# KiCad board PiEEG.kicad_pcb (continued)
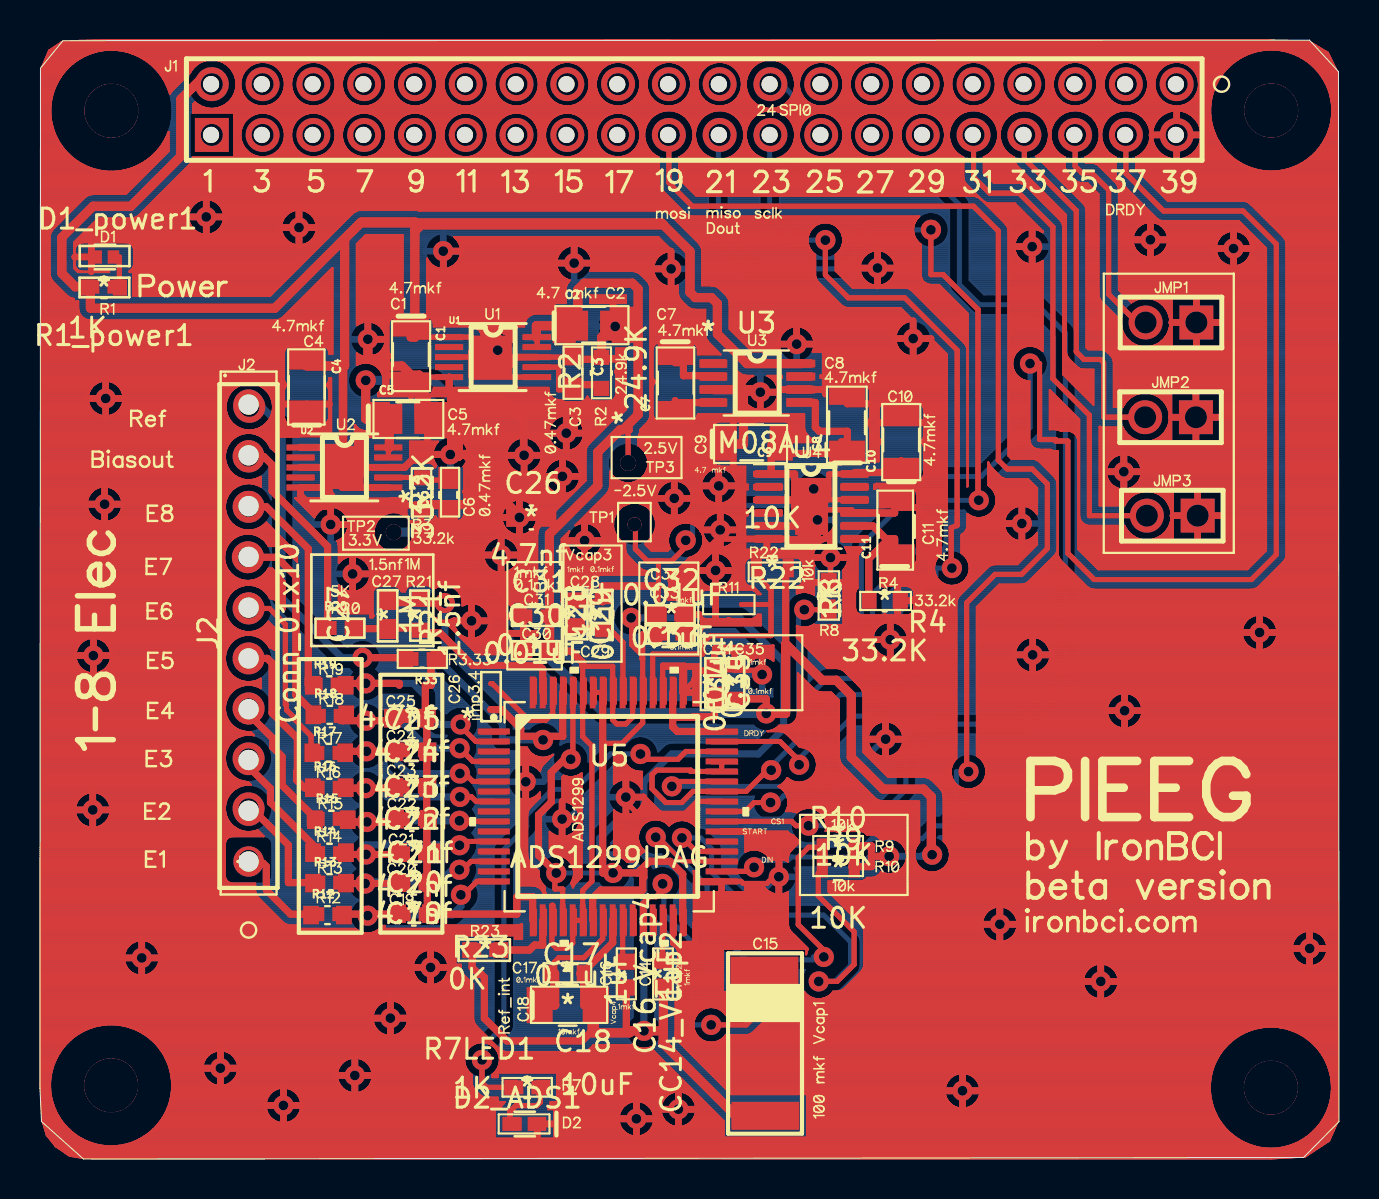
[diagram p0: board, top side]
## Routing (per net, layer and track width the routed paths; a pad name or vN(x,y) marks a point on that pad's centre or on a via; arc(x,y) is an arc through that point) (continued)
/ADS1299_subsheet/SPI3.1DRDY: length 135.4
  Top w0.254: 37.01,20.89 34.1,20.89 37.01,20.89 ; 37.01,20.89 37.97,19.93 ; 37.01,20.89 37.97,19.93 ; 37.97,19.93 37.97,19.73 37.97,19.93 ; 56.2,47.43 54.32,49.31 ; 56.2,47.43 60.18,47.43 ; 56.2,47.43 60.18,47.43 ; 56.2,47.43 54.32,49.31 ; 54.32,49.31 54.32,51.23 54.32,49.31 ; 51.42,30.3 52.73,28.99 ; 51.42,30.3 51.42,35.92 ; 51.42,30.3 52.73,28.99 ; 51.42,30.3 51.42,35.92 ; 52.73,28.99 60.6,28.99 ; 52.73,28.99 60.6,28.99 ; 61.84,30.23 61.84,45.77 ; 61.84,30.23 61.84,45.77 ; 61.84,30.23 60.6,28.99 ; 61.84,30.23 60.6,28.99 ; 61.84,45.77 60.18,47.43 ; 61.84,45.77 60.18,47.43 ; 50.8,36 50.8,35.92 ; 50.8,36 50.8,35.92 ; 50.8,36 50,36 ; 50.8,36 50,36 ; 50.8,35.92 51.42,35.92 ; 50.8,35.92 51.42,35.92 ; 50,39.8 v1(49.52,39.8) 50,39.8 ; 50,39.8 50,36 ; 50,39.8 50,36
  Bottom w0.254: v1(49.52,39.8) 49.52,36.59 47.08,34.15 44.51,34.15 41.08,30.72 41.08,24.05 39.35,24.05 38.43,23.12 38.43,20.49 37.67,19.73 37.97,19.73
  vias: v1(37.97,19.73) v2(54.32,51.23)
/ADS1299_subsheet/SPI3.2.mosi_din: length 154.2
  Top w0.2: 30.92,16.1 32.13,14.89 ; 30.92,16.1 32.13,14.89 ; 30.92,16.1 v1(30.8,16.1) 30.92,16.1 ; 32.13,14.89 34.1,14.89 32.13,14.89
  Top w0.254: 39.2,10.45 39.2,10.11 39.2,10.45 ; 39.2,10.45 37.93,11.73 ; 39.2,10.45 37.93,11.73 ; 46.69,47.67 32.63,47.67 ; 46.69,47.67 47.93,46.43 ; 46.69,47.67 32.63,47.67 ; 46.69,47.67 47.93,46.43 ; 32.63,47.67 31.46,48.84 ; 32.63,47.67 31.46,48.84 ; 50.38,33.78 49.64,34.52 ; 50.38,33.78 49.64,34.52 ; 50.38,33.78 50.38,30.54 ; 50.38,33.78 50.38,30.54 ; 49.64,34.52 48.38,34.52 ; 49.64,34.52 48.38,34.52 ; 39.28,15.6 39.28,15.67 39.28,15.6 ; 39.28,15.6 38.44,15.6 ; 39.28,15.6 38.44,15.6 ; 38.44,15.6 37.93,15.08 ; 38.44,15.6 37.93,15.08 ; 37.93,15.08 37.93,11.73 ; 37.93,15.08 37.93,11.73 ; 31.46,48.84 31.46,51.23 31.46,48.84 ; 35.72,14.39 34.1,14.39 35.72,14.39 ; 35.72,14.39 v1(35.72,14.59) 35.72,14.39 ; 47.93,46.43 47.93,34.97 ; 47.93,46.43 47.93,34.97 ; 48.38,34.52 47.93,34.97 ; 48.38,34.52 47.93,34.97 ; 49.09,29.25 50.38,30.54 ; 49.09,29.25 47.77,29.25 ; 49.09,29.25 47.77,29.25 ; 49.09,29.25 50.38,30.54 ; 47.77,29.25 46.35,27.83 ; 47.77,29.25 46.35,27.83 ; 46.35,19.38 46.35,27.83 ; 46.35,19.38 46.35,27.83 ; 46.35,19.38 v1(46.44,19.38) 46.35,19.38
  Bottom w0.254: 39.2,10.11 38.69,10.11 38.69,9.97 35.34,9.97 33.37,11.94 33.37,13.67 31.01,16.03 30.8,16.03 v1(30.8,16.1) ; v1(35.72,14.59) 35.8,14.59 35.8,14.86 35.97,14.86 36.04,14.94 37.4,14.94 37.58,15.11 40.64,15.11 41.23,15.7 41.23,15.66 41.59,16.03 44.13,16.03 44.77,16.67 45.19,16.67 45.84,17.32 45.84,19.38 v1(46.44,19.38)
  vias: v1(39.21,10.11) v2(31.46,51.23)
/ADS1299_subsheet/SPI3.3.SCLK: length 72.2
  Top w0.254: 35.72,17.83 36.54,17.83 35.72,17.83 ; 35.72,17.83 35.27,17.39 ; 35.72,17.83 35.27,17.39 ; 45.88,40.47 43.26,43.09 ; 45.88,40.47 45.88,31.69 ; 45.88,40.47 45.88,31.69 ; 45.88,40.47 43.26,43.09 ; 43.26,43.09 40.43,43.09 ; 43.26,43.09 40.43,43.09 ; 45.58,29.56 45.61,29.56 45.58,29.56 ; 45.58,29.56 45.58,31.58 ; 45.58,29.56 45.58,31.58 ; 40.43,43.09 39.28,44.23 ; 40.43,43.09 39.28,44.23 ; 45.88,31.69 45.58,31.58 ; 45.88,31.69 45.58,31.58 ; 39.28,44.23 v1(39.28,45.97) 39.28,44.23 ; 35.27,17.39 34.1,17.39 35.27,17.39
  Bottom w0.254: 45.61,29.56 44.81,29.56 44.81,28.17 44.64,28.17 43.54,27.07 43.54,24.47 42.15,23.07 42.15,22.9 41.4,22.16 40.65,22.16 39.45,20.95 39.45,19.06 38.56,18.18 37.21,18.18 36.87,17.83 36.54,17.83 ; v1(39.28,45.97) 37.68,45.97 36.5,47.15 36.5,51.23 36.54,51.23
  vias: v1(36.54,17.84) v1(45.61,29.56) v2(36.54,51.23)
/ADS1299_subsheet/SPI3.4CS1: length 67.3
  Top w0.254: 37.6,16.89 34.1,16.89 37.6,16.89 ; 37.6,16.89 37.81,16.68 ; 37.6,16.89 37.81,16.68 ; 37.81,16.68 38.44,16.68 37.81,16.68
  Bottom w0.254: 38.44,16.68 41.52,16.68 43.31,18.47 43.31,20.27 44.8,21.76 49.14,21.76 51.29,23.91 51.29,41.32 49.87,42.74 47.01,42.74 45.99,43.76 45.99,47.74 44.75,48.98 38.63,48.98 37.88,49.73 37.88,52.99 37.09,53.77 36.54,53.77
  vias: v1(38.44,16.68) v2(36.54,53.77)
/ADS1299_subsheet/SPI3.6_MISO_dout: length 79.6
  Top w0.254: 46.92,42.5 45.18,44.24 ; 46.92,42.5 45.18,44.24 ; 46.92,42.5 46.92,32.96 ; 46.92,42.5 46.92,32.96 ; 45.18,44.24 44.57,44.24 ; 45.18,44.24 44.57,44.24 ; 46.92,32.96 v1(46.96,32.96) 46.92,32.96 ; 44.57,44.24 44.57,46.49 44.57,44.24 ; 31.61,18.89 31.61,18.65 31.61,18.89 ; 31.61,18.89 34.1,18.89 31.61,18.89
  Bottom w0.254: 34,51.23 33.93,51.23 33.93,46.19 35.59,44.53 40.16,44.53 40.68,45.05 40.68,45.62 41.55,46.49 44.57,46.49 ; 31.61,18.65 38.25,18.65 38.99,19.38 38.99,22.2 40.02,23.24 41.1,23.24 41.64,23.77 41.64,28.26 44.25,30.87 44.74,30.87 44.74,32.96 v1(46.96,32.96)
  vias: v1(31.61,18.64) v1(44.56,46.49) v2(34,51.23)
/SPI3.1DRDY:
  vias: v2(11.14,53.77)
/SPI3.2.mosi_dout:
  vias: v2(34,53.77)
/SPI3.3.SCLK:
  vias: v2(28.92,53.77)
/SPI3.4CS1:
  vias: v2(28.92,51.23)
/SPI3.6_MISO_din:
  vias: v2(31.46,53.77)
Net-(C3-Pad2): length 9.2
  Top w0.254: 26.66,38.48 26.66,38.71 26.66,38.48 ; 26.66,38.48 25.94,38.48 ; 26.66,38.48 25.94,38.48 ; 25.94,38.48 25.94,39.62 ; 25.94,38.48 25.94,39.62 ; 25.94,39.62 24.87,39.62 25.94,39.62
  Top w0.354: 26.69,38.74 28.09,38.74 26.69,38.74 ; 26.69,38.74 26.66,38.71 26.69,38.74
Net-(C6-Pad2): length 6.5
  Top w0.254: 19.06,34.1 17.43,34.1 19.06,34.1 ; 19.06,34.1 19.06,34.01 ; 19.06,34.1 19.06,34.01 ; 19.06,34.01 19.06,33.97 ; 19.06,34.01 19.06,33.97 ; 19.06,33.97 20.49,33.97 ; 19.06,33.97 20.49,33.97 ; 20.49,33.97 20.49,34.04 20.49,33.97
Net-(C7-Pad2): length 5.2
  Top w0.354: 32.19,39.19 33.68,39.19 ; 32.19,39.19 32.19,39.84 ; 32.19,39.19 32.19,39.84 ; 32.19,39.19 33.68,39.19 ; 33.68,39.19 33.68,39.14 33.68,39.19 ; 32.19,39.84 31.77,39.84 32.19,39.84
Net-(C11-Pad2): length 13.4
  Top w0.354: 42.46,31.03 41.46,30.03 ; 42.46,31.03 42.75,31.03 ; 42.46,31.03 41.46,30.03 ; 42.46,31.03 42.75,31.03 ; 41.46,30.03 41.46,27.93 ; 41.46,30.03 41.46,27.93 ; 42.75,31.03 42.75,30.7 ; 42.75,31.03 42.75,30.7 ; 42.75,30.7 42.65,30.7 ; 42.75,30.7 42.65,30.7 ; 41.67,31.67 42.65,30.7 ; 41.67,31.67 40.76,31.67 41.67,31.67 ; 41.67,31.67 42.65,30.7 ; 41.46,27.93 41.6,27.93 41.46,27.93
Net-(C15_Vcap1-Pad1): length 23.8
  Top w0.254: 30.48,13.12 30.81,13.12 ; 30.48,13.12 30.15,12.79 ; 30.48,13.12 30.81,13.12 ; 30.48,13.12 30.15,12.79 ; 30.81,13.12 31.14,13.45 ; 30.81,13.12 31.14,13.45 ; 35.33,6.71 v1(33.57,6.71) 35.33,6.71 ; 35.33,6.71 36,7.38 ; 35.33,6.71 36,7.38 ; 31.14,13.45 v1(31.14,13.77) 31.14,13.45 ; 30.15,12.79 30.15,11.94 30.15,12.79 ; 36.24,9.5 36.24,9.43 36.24,9.5 ; 36.24,9.5 36,9.5 ; 36.24,9.5 36,9.5 ; 36,7.38 36,9.5 ; 36,7.38 36,9.5
  Bottom w0.254: v1(33.57,6.71) 32.62,6.71 32.62,10.85 31.21,12.26 31.21,13.77 v1(31.14,13.77)
Net-(C16_Vcap4-Pad1): length 4.5
  Top w0.254: 29.15,9.9 29.33,9.9 29.15,9.9 ; 29.15,9.9 29.15,11.94 29.15,9.9
Net-(C18-Pad1): length 12.1
  Top w0.254: 25.95,10.07 27.2,10.07 ; 25.95,10.07 25.75,9.86 ; 25.95,10.07 27.2,10.07 ; 25.95,10.07 25.75,9.86 ; 27.2,10.07 28.15,11.02 ; 27.2,10.07 28.15,11.02 ; 28.15,11.02 28.15,11.94 28.15,11.02 ; 25.75,9.86 25.75,9.29 25.75,9.86
  Top w0.454: 25.75,7.7 25.67,7.7 25.75,7.7 ; 25.75,7.7 25.75,9.29 25.75,7.7
Net-(C20-Pad1): length 15
  Top w0.254: 21.56,14.89 21.26,14.59 ; 21.56,14.89 21.26,14.59 ; 21.56,14.89 22.7,14.89 21.56,14.89 ; 21.26,14.59 20.98,14.59 ; 21.26,14.59 20.98,14.59 ; 20.98,14.59 v1(20.98,14.47) 20.98,14.59
  Top w0.354: 15.12,13.78 15.12,13.83 15.12,13.78 ; 15.12,13.78 v1(16.26,13.78) ; 15.12,13.78 v1(16.26,13.78) ; v1(16.26,13.78) 18.08,13.79 v1(16.26,13.78)
  Bottom w0.354: v1(20.98,14.47) 20.62,14.47 20.02,13.87 16.26,13.87 v1(16.26,13.78)
Net-(C21-Pad1): length 19.7
  Top w0.254: 20.98,15.89 20.98,15.7 20.98,15.89 ; 20.98,15.89 22.7,15.89 20.98,15.89
  Top w0.354: v1(16.31,15.24) 18.06,15.24 ; v1(16.31,15.24) 18.06,15.24 ; v1(16.31,15.24) 15.11,15.24 ; v1(16.31,15.24) 15.11,15.24 ; 18.06,15.24 18.06,15.29 18.06,15.24 ; 15.11,15.24 15.11,15.3 15.11,15.24
  Bottom w0.254: v1(16.31,15.24) 16.31,15.7 20.98,15.7
  Bottom w0.354: 20.45,15.72 16.31,15.72 v1(16.31,15.24)
  vias: v1(20.98,15.7)
Net-(C22-Pad1): length 14.7
  Top w0.254: 21.32,16.89 21.28,16.92 ; 21.32,16.89 22.7,16.89 21.32,16.89 ; 21.32,16.89 21.28,16.92 ; 21.28,16.92 v1(20.98,16.92) 21.28,16.92
  Top w0.354: 18.05,16.86 18.05,17.01 18.05,16.86 ; 18.05,16.86 v1(16.35,16.86) ; 18.05,16.86 v1(16.35,16.86) ; v1(16.35,16.86) 15.09,16.86 ; v1(16.35,16.86) 15.09,16.86 ; 15.09,16.86 15.09,17.02 15.09,16.86
  Bottom w0.354: v1(16.35,16.86) 16.35,16.92 v1(20.98,16.92)
Net-(C23-Pad1): length 14.6
  Top w0.254: 21.59,18.12 v1(21.01,18.12) 21.59,18.12 ; 21.59,18.12 21.82,17.89 ; 21.59,18.12 21.82,17.89 ; 21.82,17.89 22.7,17.89 21.82,17.89
  Top w0.354: 16.3,18.55 15.09,18.55 ; 16.3,18.55 15.09,18.55 ; 16.3,18.55 18.05,18.55 ; 16.3,18.55 18.05,18.55 ; 15.09,18.55 15.09,18.57 15.09,18.55 ; 18.05,18.55 18.05,18.62 18.05,18.55
  Bottom w0.354: 16.3,18.55 16.93,18.55 17.37,18.12 v1(21.01,18.12)
  vias: v1(16.3,18.55)
Net-(C24-Pad1): length 15.2
  Top w0.254: 21.25,19.29 v1(21,19.29) 21.25,19.29 ; 21.25,19.29 21.65,18.89 ; 21.25,19.29 21.65,18.89 ; 21.65,18.89 22.7,18.89 21.65,18.89
  Top w0.354: 16.33,20.4 15.08,20.4 ; 16.33,20.4 18.05,20.4 ; 16.33,20.4 15.08,20.4 ; 16.33,20.4 18.05,20.4 ; 15.08,20.4 15.08,20.32 15.08,20.4 ; 18.05,20.4 18.05,20.45 18.05,20.4
  Bottom w0.354: v1(21,19.29) 18.43,19.29 17.89,19.83 17.89,20.15 17.64,20.4 16.33,20.4
  vias: v1(16.33,20.4)
Net-(C25-Pad1): length 16
  Top w0.254: 21.65,19.89 v1(20.99,20.55) 21.65,19.89 ; 21.65,19.89 22.7,19.89 21.65,19.89
  Top w0.354: 18.05,21.93 18.05,22.17 18.05,21.93 ; 18.05,21.93 16.31,21.93 ; 18.05,21.93 16.31,21.93 ; 16.31,21.93 15.14,21.93 ; 16.31,21.93 15.14,21.93 ; 15.14,21.93 15.14,22.17 15.14,21.93
  Bottom w0.354: v1(20.99,20.55) 19.39,20.55 18.02,21.93 16.31,21.93
  vias: v1(16.31,21.93)
Net-(C26-Pad1): length 16.7
  Top w0.254: 20.95,21.74 21.04,21.74 20.95,21.74 ; 20.95,21.74 21.8,20.89 ; 20.95,21.74 21.8,20.89 ; 21.8,20.89 22.7,20.89 21.8,20.89
  Top w0.354: 14.99,23.8 14.99,23.74 14.99,23.8 ; 14.99,23.8 16.29,23.8 ; 14.99,23.8 16.29,23.8 ; 17.98,23.8 17.98,23.7 17.98,23.8 ; 17.98,23.8 16.29,23.8 ; 17.98,23.8 16.29,23.8
  Bottom w0.354: 21.04,21.74 19.94,21.74 19.26,22.42 19.26,23.18 18.65,23.8 16.29,23.8
  vias: v1(16.29,23.8) v1(21.04,21.74)
Net-(C26-Pad2): length 19.1
  Top w0.254: 17.92,12.18 17.92,12.25 ; 17.92,12.18 v1(16.39,12.18) 17.92,12.18 ; 17.92,12.18 17.92,12.25 ; 17.92,12.25 18.09,12.25 17.92,12.25 ; 21.18,13.22 v1(21.06,13.22) 21.18,13.22 ; 21.18,13.22 21.86,13.89 ; 21.18,13.22 21.86,13.89 ; 21.86,13.89 22.7,13.89 21.86,13.89
  Top w0.354: 15.07,12.25 15.07,12.25 15.07,12.25 ; 15.07,12.25 18.09,12.25 15.07,12.25
  Bottom w0.354: v1(16.39,12.18) 16.29,12.18 16.29,12.21 20.62,12.21 21.06,12.65 v1(21.06,13.22)
Net-(C27-Pad1): length 10.1
  Top w0.254: 24.46,21.95 25.29,21.95 ; 24.46,21.95 22.63,23.79 ; 24.46,21.95 22.63,23.79 ; 24.46,21.95 25.29,21.95 ; 25.29,21.95 25.65,22.3 ; 25.29,21.95 25.65,22.3 ; 22.63,23.79 22.55,23.79 22.63,23.79 ; 25.65,22.3 25.65,23.34 25.65,22.3
Net-(C28-Pad1): length 10.3
  Top w0.254: 29.16,25.84 29.16,23.34 ; 29.16,25.84 29.16,23.34 ; 29.16,25.84 28.42,26.58 ; 29.16,25.84 28.42,26.58 ; 29.16,23.34 29.15,23.34 29.16,23.34 ; 28.14,26.57 26.84,26.57 28.14,26.57 ; 28.14,26.57 28.14,26.58 ; 28.14,26.57 28.14,26.58 ; 28.14,26.58 28.42,26.58 ; 28.14,26.58 28.42,26.58
Net-(D1_power1-Pad2): length 3.3
  Top w0.254: 3.97,43.79 3.97,45.13 ; 3.97,43.79 3.97,45.13 ; 3.97,43.79 3.82,43.64 3.97,43.79 ; 3.97,45.13 3.87,45.13 3.97,45.13
Net-(J1-Pad31):
  vias: v2(18.76,53.77)
Net-(J1-Pad33):
  vias: v2(16.22,53.77)
Net-(J1-Pad35):
  vias: v2(13.68,53.77)
Net-(J2-Pad1): length 10.5
  Top w0.354: 12.53,12.25 13.77,12.25 12.53,12.25 ; 12.53,12.25 11.32,13.46 ; 12.53,12.25 11.32,13.46 ; 11.32,13.46 11.32,14.63 ; 11.32,13.46 11.32,14.63 ; 11.32,14.63 11.16,14.8 ; 11.32,14.63 11.16,14.8 ; 10.43,14.8 v6(10.43,14.97) 10.43,14.8 ; 10.43,14.8 11.16,14.8 ; 10.43,14.8 11.16,14.8
Net-(J2-Pad2): length 12
  Top w0.354: 12.43,13.83 12.43,15.7 ; 12.43,13.83 13.82,13.83 12.43,13.83 ; 12.43,13.83 12.43,15.7 ; 12.43,15.7 10.58,17.54 ; 12.43,15.7 10.58,17.54 ; 10.58,17.54 10.43,17.54 10.58,17.54
  vias: v6(10.43,17.54)
Net-(J2-Pad3): length 12.3
  Top w0.354: 11.53,17.84 11.53,18.54 ; 11.53,17.84 13.81,15.56 ; 11.53,17.84 11.53,18.54 ; 11.53,17.84 13.81,15.56 ; 11.53,18.54 10.43,19.63 ; 11.53,18.54 10.43,19.63 ; 10.43,19.63 10.43,20.04 10.43,19.63 ; 13.81,15.56 13.81,15.3 13.81,15.56
  vias: v6(10.43,20.04)
Net-(J2-Pad4): length 14.1
  Top w0.354: 13.79,17.24 13.57,17.24 ; 13.79,17.24 13.57,17.24 ; 13.79,17.24 13.79,17.02 13.79,17.24 ; 13.57,17.24 12.11,18.7 ; 13.57,17.24 12.11,18.7 ; 12.11,20.14 11.65,20.6 ; 12.11,20.14 12.11,18.7 ; 12.11,20.14 12.11,18.7 ; 12.11,20.14 11.65,20.6 ; 11.65,20.6 11.65,21.05 ; 11.65,20.6 11.65,21.05 ; 10.43,22.26 v6(10.43,22.54) 10.43,22.26 ; 10.43,22.26 11.65,21.05 ; 10.43,22.26 11.65,21.05
Net-(J2-Pad5): length 17.7
  Top w0.354: 11.61,22.31 11.61,24.81 ; 11.61,22.31 12.88,21.04 ; 11.61,22.31 11.61,24.81 ; 11.61,22.31 12.88,21.04 ; 11.61,24.81 11.37,25.04 ; 11.61,24.81 11.37,25.04 ; 12.88,19.35 12.88,21.04 ; 12.88,19.35 12.88,21.04 ; 12.88,19.35 12.84,19.39 ; 12.88,19.35 12.84,19.39 ; 11.37,25.04 v6(10.43,25.04) 11.37,25.04 ; 13.22,18.57 13.79,18.57 13.22,18.57 ; 13.22,18.57 12.84,18.95 ; 13.22,18.57 12.84,18.95 ; 12.84,18.95 12.84,19.39 ; 12.84,18.95 12.84,19.39
Net-(J2-Pad6): length 18.8
  Top w0.254: 11.48,27.54 10.43,27.54 11.48,27.54 ; 11.48,27.54 12.27,26.75 ; 11.48,27.54 12.27,26.75 ; 12.27,26.75 12.27,22.74 ; 12.27,26.75 12.27,22.74 ; 13.56,20.32 13.78,20.32 13.56,20.32 ; 13.56,20.32 13.56,21.17 ; 13.56,20.32 13.56,21.17 ; 12.76,22.04 12.33,22.47 ; 12.76,22.04 12.33,22.47 ; 12.76,22.04 12.76,21.97 ; 12.76,22.04 12.76,21.97 ; 12.33,22.47 12.33,22.74 ; 12.33,22.47 12.33,22.74 ; 12.33,22.74 12.27,22.74 ; 12.33,22.74 12.27,22.74 ; 12.76,21.97 13.56,21.17 ; 12.76,21.97 13.56,21.17
  vias: v6(10.43,27.54)
Net-(J2-Pad7): length 20.4
  Top w0.354: 12.81,29.14 11.84,30.11 ; 12.81,29.14 11.84,30.11 ; 12.81,29.14 12.81,23.21 ; 12.81,29.14 12.81,23.21 ; 11.84,30.11 10.4,30.11 11.84,30.11 ; 12.81,23.21 13.84,22.17 12.81,23.21
  vias: v6(10.4,30.11)
Net-(J2-Pad8): length 21.8
  Top w0.354: 11.33,32.63 v6(10.43,32.63) 11.33,32.63 ; 11.33,32.63 13.42,30.54 ; 11.33,32.63 13.42,30.54 ; 13.42,30.54 13.42,23.74 ; 13.42,30.54 13.42,23.74 ; 13.42,23.74 13.69,23.74 13.42,23.74
Net-(J2-Pad9): length 21.3
  Top w0.354: 11.61,33.42 11.61,34.73 ; 11.61,33.42 11.61,34.73 ; 11.61,33.42 14.39,30.65 ; 11.61,33.42 14.39,30.65 ; 11.61,34.73 11.2,35.14 ; 11.61,34.73 11.2,35.14 ; 11.2,35.14 10.43,35.14 11.2,35.14 ; 14.39,30.65 14.39,26.57 14.39,30.65
  vias: v6(10.43,35.14)
Net-(J2-Pad10): length 20.7
  Top w0.354: 18.48,25.08 18.48,25.02 18.48,25.08 ; 18.48,25.08 16.14,25.08 18.48,25.08
  Bottom w0.354: v6(10.47,37.63) 11.09,37.63 12.12,36.61 12.12,28.06 15.1,25.08 16.14,25.08
  vias: v1(16.13,25.08)
Net-(R7LED1-Pad1): length 34.9
  Top w0.254: 30.04,20 30.04,20.27 30.04,20 ; 30.04,20 31.91,20 ; 30.04,20 31.91,20 ; 32.3,20.39 34.1,20.39 32.3,20.39 ; 32.3,20.39 31.91,20 ; 32.3,20.39 31.91,20 ; 22.34,3.58 23.73,3.58 22.34,3.58 ; 22.34,3.58 22.11,3.82 ; 22.34,3.58 22.11,3.82 ; 22.11,3.82 v1(22.11,4.96) 22.11,3.82
  Bottom w0.254: 30.04,20.27 28.54,20.27 26.76,18.49 25.63,18.49 24.35,17.21 24.35,16.63 23.2,15.49 23.2,6.66 22.28,5.74 22.28,4.96 v1(22.11,4.96)
  vias: v1(30.04,20.26)
Net-(R7LED1-Pad2): length 6.3
  Top w0.254: 24.85,2.67 23.8,2.67 ; 24.85,2.67 25.03,2.85 ; 24.85,2.67 25.03,2.85 ; 24.85,2.67 23.8,2.67 ; 23.8,2.67 23.51,2.38 ; 23.8,2.67 23.51,2.38 ; 23.51,2.38 23.51,1.76 ; 23.51,2.38 23.51,1.76 ; 23.51,1.76 23.58,1.76 23.51,1.76 ; 25.03,2.85 25.03,3.58 25.03,2.85
Net-(R8-Pad1): length 35.1
  Top w0.254: 30.61,19.23 30.61,18.53 ; 30.61,19.23 30.84,19.46 ; 30.61,19.23 30.61,18.53 ; 30.61,19.23 30.84,19.46 ; 30.61,18.53 31.3,17.83 ; 30.61,18.53 31.3,17.83 ; 39.16,27.55 39.45,27.55 39.16,27.55 ; 39.16,27.55 39.16,27.48 ; 39.16,27.55 39.16,27.48 ; 32.54,19.39 32.54,19.46 ; 32.54,19.39 34.1,19.39 ; 32.54,19.39 34.1,19.39 ; 32.54,19.39 32.54,19.46 ; 32.54,19.46 30.84,19.46 ; 32.54,19.46 30.84,19.46 ; 39.16,27.48 38.23,27.48 39.16,27.48 ; 34.1,19.39 34.1,19.89 34.1,19.39 ; 36.18,19.21 36.42,19.46 ; 36.18,19.21 36.18,19.25 ; 36.18,19.21 36.18,19.25 ; 36.18,19.21 36.42,19.46 ; 36.42,19.46 36.57,19.46 36.42,19.46 ; 32.1,17.83 32.65,18.39 ; 32.1,17.83 31.3,17.83 ; 32.1,17.83 31.3,17.83 ; 32.1,17.83 32.65,18.39 ; 32.65,18.39 34.1,18.39 ; 32.65,18.39 34.1,18.39 ; 34.1,18.39 35.32,18.39 ; 34.1,18.39 35.32,18.39 ; 36.18,19.25 35.32,18.39 ; 36.18,19.25 35.32,18.39
  Bottom w0.254: 38.23,27.48 37.94,27.48 37.94,21.01 36.57,19.65 36.57,19.46
  vias: v1(36.57,19.45) v1(38.23,27.48)
Net-(R10-Pad1): length 34.9
  Top w0.254: 38.93,14.28 38.93,13.16 ; 38.93,14.28 39.27,14.63 ; 38.93,14.28 39.27,14.63 ; 38.93,14.28 38.93,13.16 ; 38.93,13.16 40.72,11.37 ; 38.93,13.16 40.72,11.37 ; 39.87,8.89 38.95,8.89 39.87,8.89 ; 39.87,8.89 40.72,9.73 ; 39.87,8.89 40.72,9.73 ; 40.72,11.37 40.72,9.73 ; 40.72,11.37 40.72,9.73 ; 39.27,14.63 39.3,14.63 39.27,14.63 ; 32.11,16.1 v1(32.11,16.07) 32.11,16.1 ; 32.11,16.1 32.82,15.39 ; 32.11,16.1 32.82,15.39 ; 32.82,15.39 34.1,15.39 32.82,15.39
  Bottom w0.254: v1(32.11,16.07) 33.06,16.07 33.6,15.53 33.6,14.34 35.77,12.17 36.05,12.17 36.05,12.2 39.2,12.2 40.54,10.86 40.54,9.67 39.75,8.89 38.95,8.89
  vias: v1(38.95,8.89)
unconnected-(J1-Pad1):
  vias: v2(56.86,53.77)
unconnected-(J1-Pad3):
  vias: v2(54.32,53.77)
unconnected-(J1-Pad5):
  vias: v2(51.78,53.77)
unconnected-(J1-Pad6): length 22.8
  Top w0.254: 52.11,49.34 52.6,49.34 ; 52.11,49.34 51.78,49.67 ; 52.11,49.34 51.78,49.67 ; 52.11,49.34 52.6,49.34 ; 52.6,49.34 53.46,48.48 ; 52.6,49.34 53.46,48.48 ; 53.46,48.48 53.46,43.26 ; 53.46,48.48 53.46,43.26 ; 53.46,43.26 54.87,41.85 ; 53.46,43.26 54.87,41.85 ; 51.78,49.67 51.78,51.23 51.78,49.67 ; 54.87,41.85 55.3,41.85 54.87,41.85
  vias: v2(51.78,51.23) v2(55.3,41.85)
unconnected-(J1-Pad7):
  vias: v2(49.24,53.77)
unconnected-(J1-Pad8): length 36.7
  Top w0.254: 53.2,37.11 55.28,37.11 53.2,37.11 ; 53.2,37.11 53.2,39.84 ; 53.2,37.11 53.2,39.84 ; 53.2,39.84 53.04,40 ; 53.2,39.84 53.04,40 ; 53.04,40 52.22,40 ; 53.04,40 52.22,40 ; 52.22,40 51.83,40.39 ; 52.22,40 51.83,40.39 ; 51.83,40.39 51.83,47.45 ; 51.83,40.39 51.83,47.45 ; 51.83,47.45 49.24,50.04 ; 51.83,47.45 49.24,50.04 ; 49.24,50.04 49.24,51.23 49.24,50.04
  vias: v2(49.24,51.23) v2(55.28,37.11)
unconnected-(J1-Pad9):
  vias: v2(46.7,53.77)
unconnected-(J1-Pad10): length 50.4
  Top w0.254: 50.66,39.04 52.49,37.21 ; 50.66,39.04 50.66,46.62 ; 50.66,39.04 50.66,46.62 ; 50.66,39.04 52.49,37.21 ; 52.49,37.21 52.49,32.19 ; 52.49,37.21 52.49,32.19 ; 46.7,49.12 47.5,48.32 ; 46.7,49.12 47.5,48.32 ; 46.7,49.12 46.7,51.23 46.7,49.12 ; 47.5,48.32 48.97,48.32 ; 47.5,48.32 48.97,48.32 ; 48.97,48.32 50.66,46.62 ; 48.97,48.32 50.66,46.62 ; 52.49,32.19 55.37,32.19 52.49,32.19
  vias: v2(46.7,51.23) v2(55.36,32.19)
unconnected-(J1-Pad11):
  vias: v2(44.16,53.77)
unconnected-(J1-Pad12):
  vias: v2(44.16,51.23)
unconnected-(J1-Pad13):
  vias: v2(41.62,53.77)
unconnected-(J1-Pad14):
  vias: v2(41.62,51.23)
unconnected-(J1-Pad15):
  vias: v2(39.08,53.77)
unconnected-(J1-Pad16):
  vias: v2(39.08,51.23)
unconnected-(J1-Pad25):
  vias: v2(26.38,53.77)
unconnected-(J1-Pad26):
  vias: v2(26.38,51.23)
unconnected-(J1-Pad27):
  vias: v2(23.84,53.77)
unconnected-(J1-Pad28):
  vias: v2(23.84,51.23)
unconnected-(J1-Pad29):
  vias: v2(21.3,53.77)
unconnected-(J1-Pad30):
  vias: v2(21.3,51.23)
unconnected-(J1-Pad32):
  vias: v2(18.76,51.23)
unconnected-(J1-Pad34):
  vias: v2(16.22,51.23)
unconnected-(J1-Pad36):
  vias: v2(13.68,51.23)
unconnected-(J1-Pad38):
  vias: v2(11.14,51.23)
unconnected-(J1-Pad40):
  vias: v2(8.6,51.23)

## Copper pours and planes (outline as drawn; the poured copper is in the pictures)
Net-(C15_Vcap1-Pad1) on Top (solid shape): 37.94,10.13 34.54,10.13 34.54,8.73 37.94,8.73
unconnected-(J1-Pad40) on Top (solid shape): 9.45,52.08 7.75,52.08 7.75,50.38 9.45,50.38
unconnected-(J1-Pad40) on Bottom (solid shape): 9.45,52.08 7.75,52.08 7.75,50.38 9.45,50.38

Small or netless copper shapes (teardrops, artwork), in the pictures only: 164 on Top, 3 on Bottom
